# Altium PCB Copy of ECU rev B pcb.PcbDoc (part 1 of 5)
Units mm, origin at the board's own origin, x right, y up, seen from the top; angles counter-clockwise.
Board outline 142 x 125.42 mm, 4 copper layers (Top Layer, GND, Power, Bottom Layer), stack 0.603 mm thick; 577 components, 350 nets, 1799 pads, 656 vias.
Unrouted connection lines stored in the file: 28.
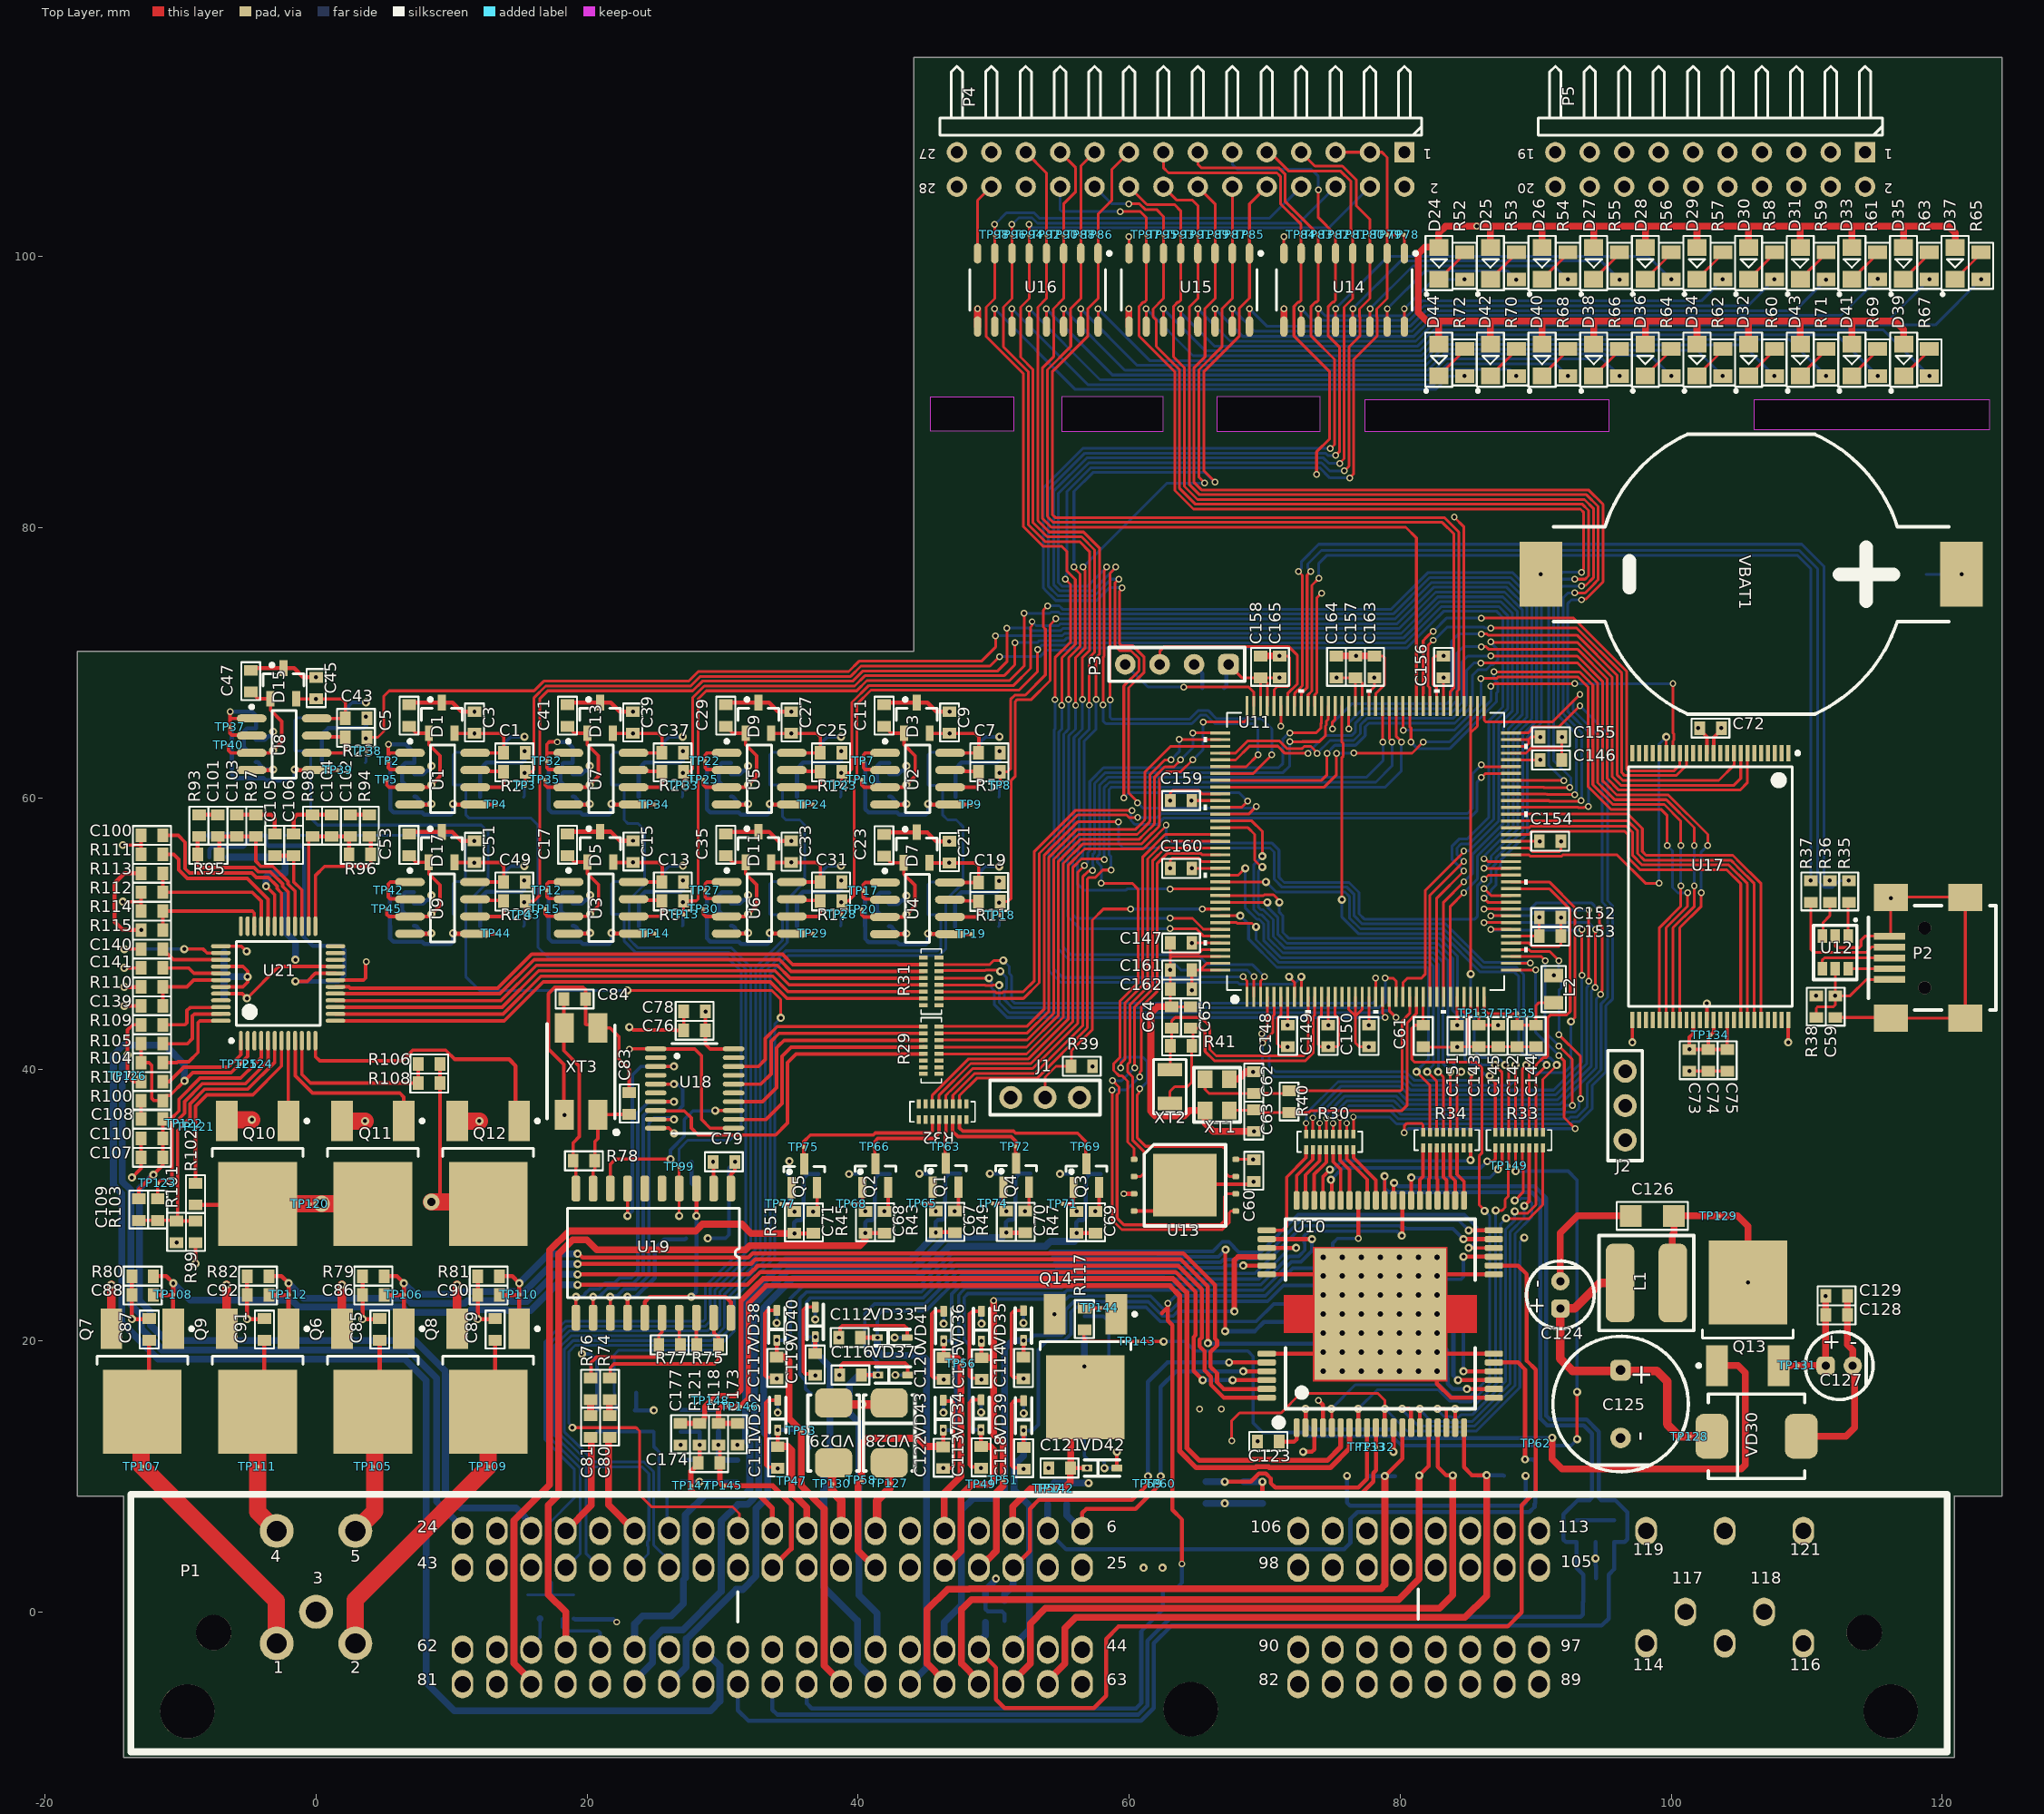
[diagram p0: Top Layer view]
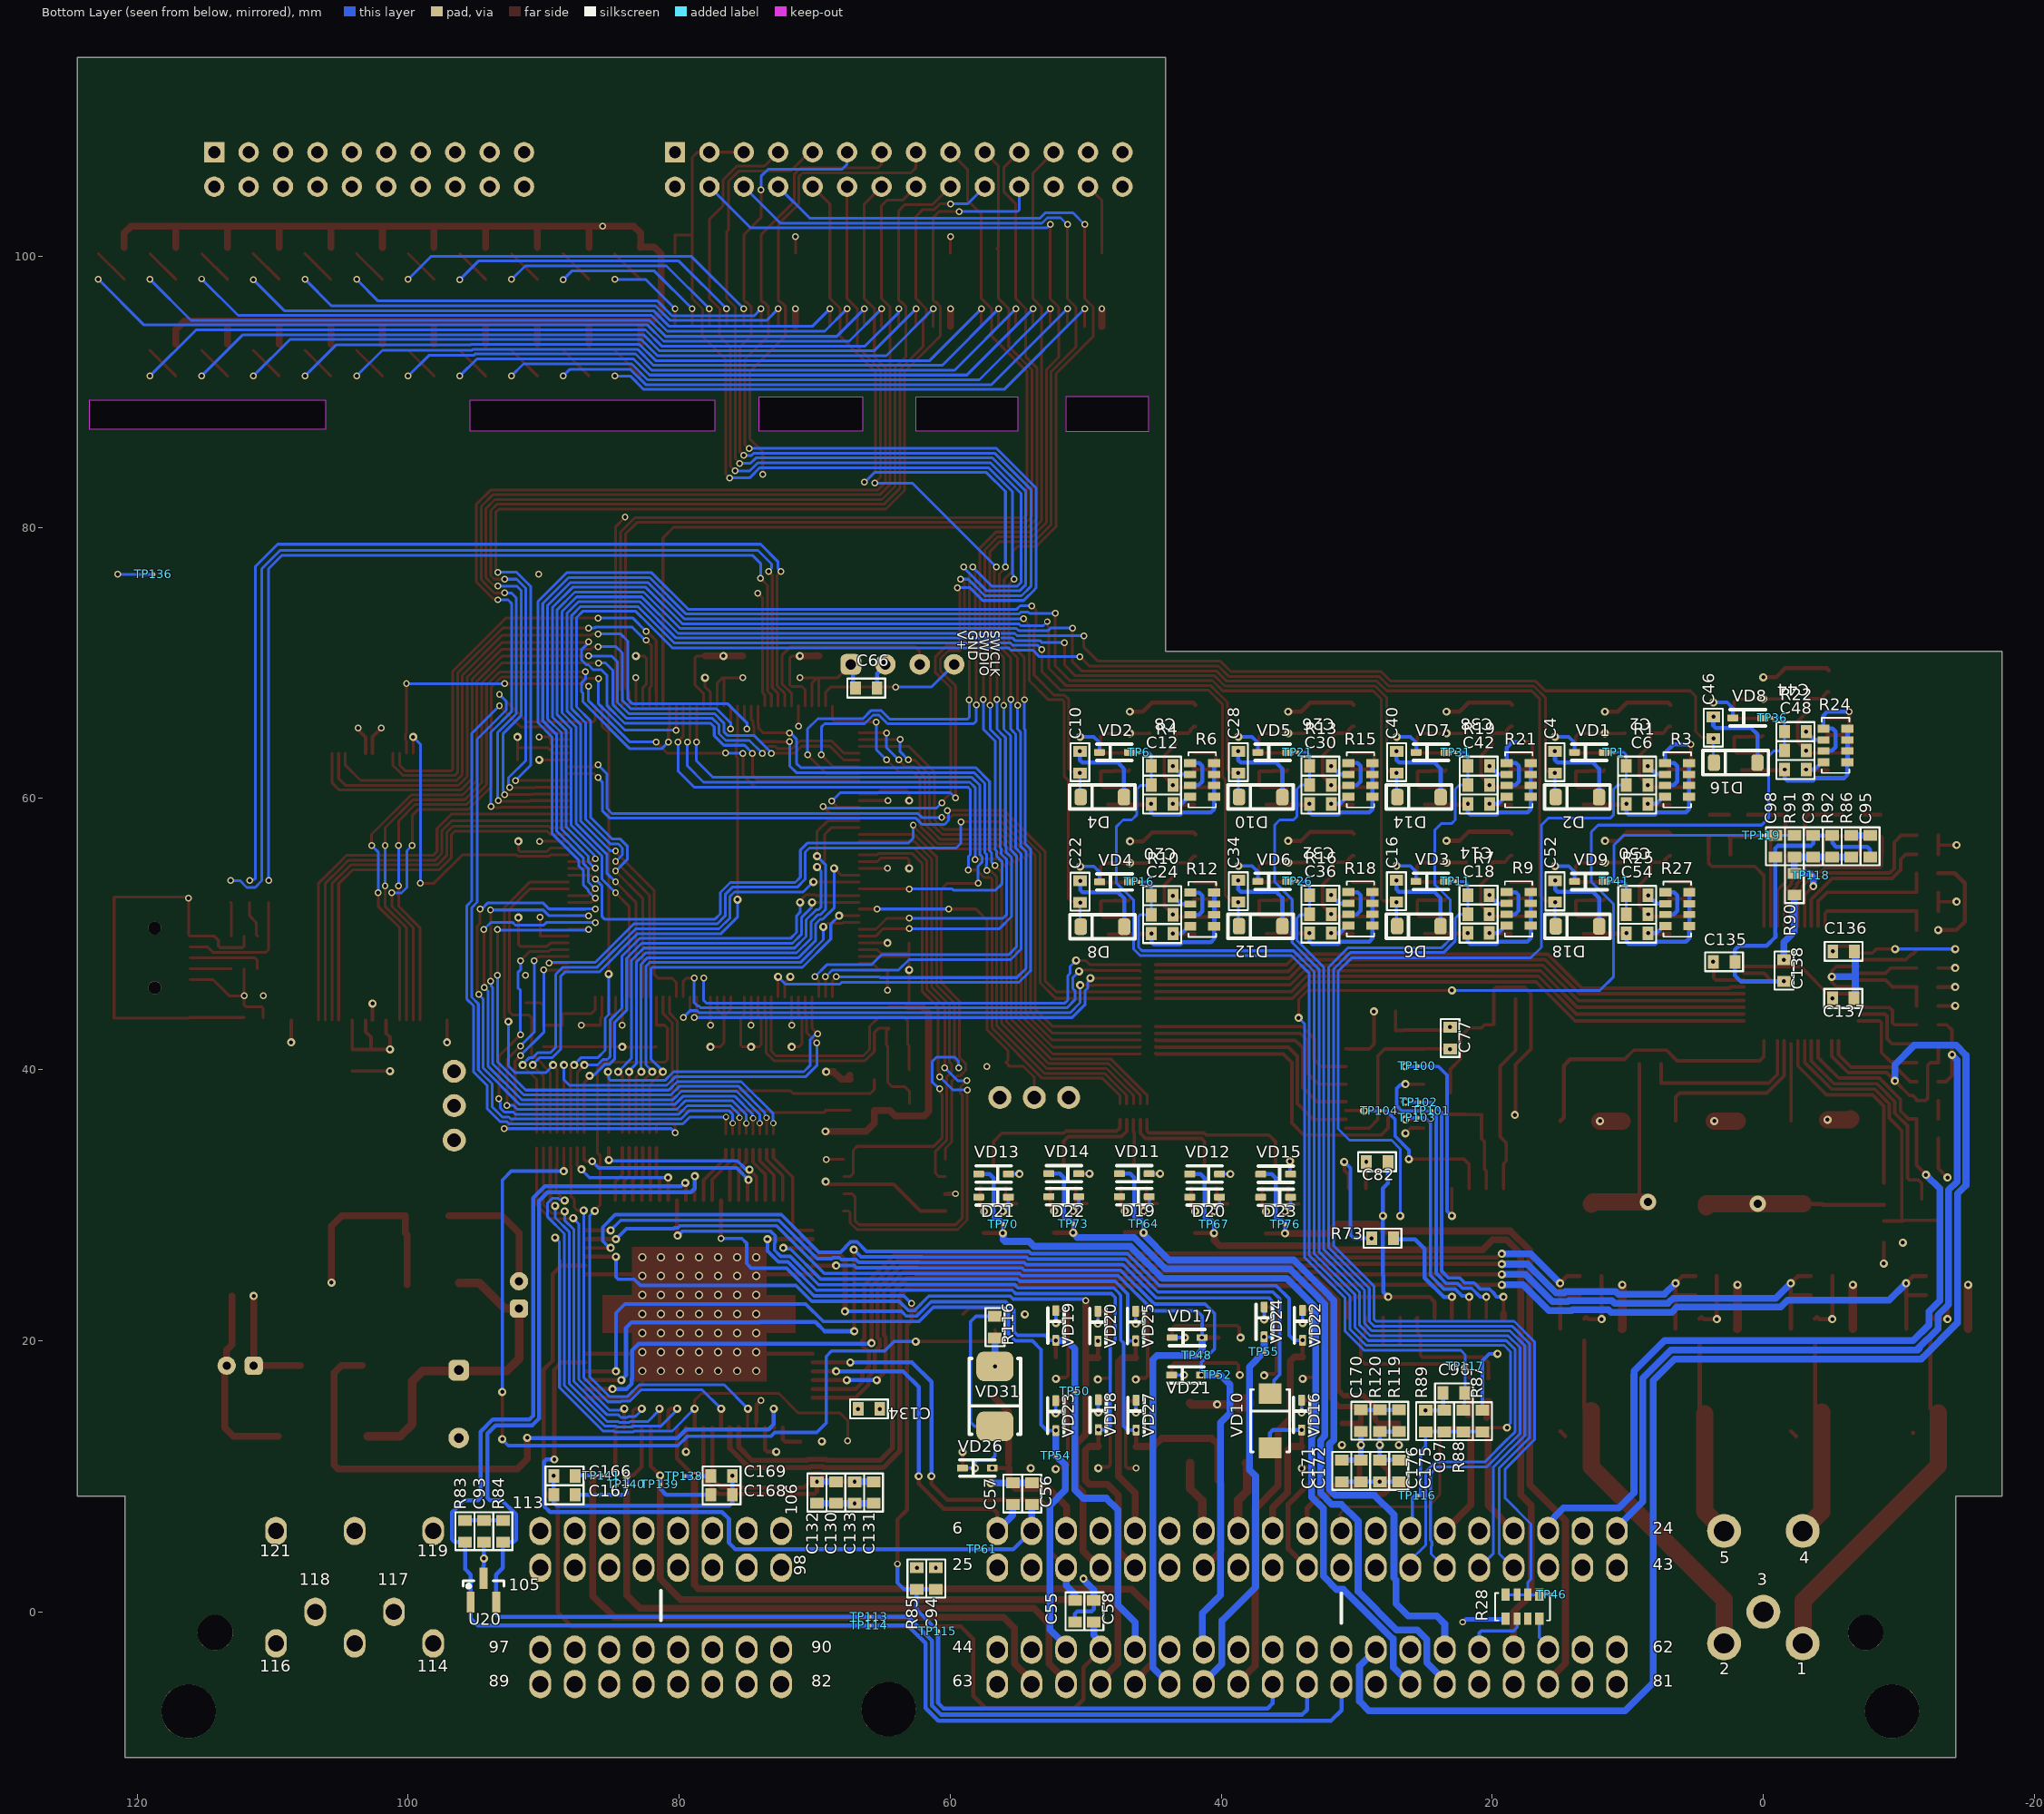
[diagram p1: Bottom Layer view, seen from below]
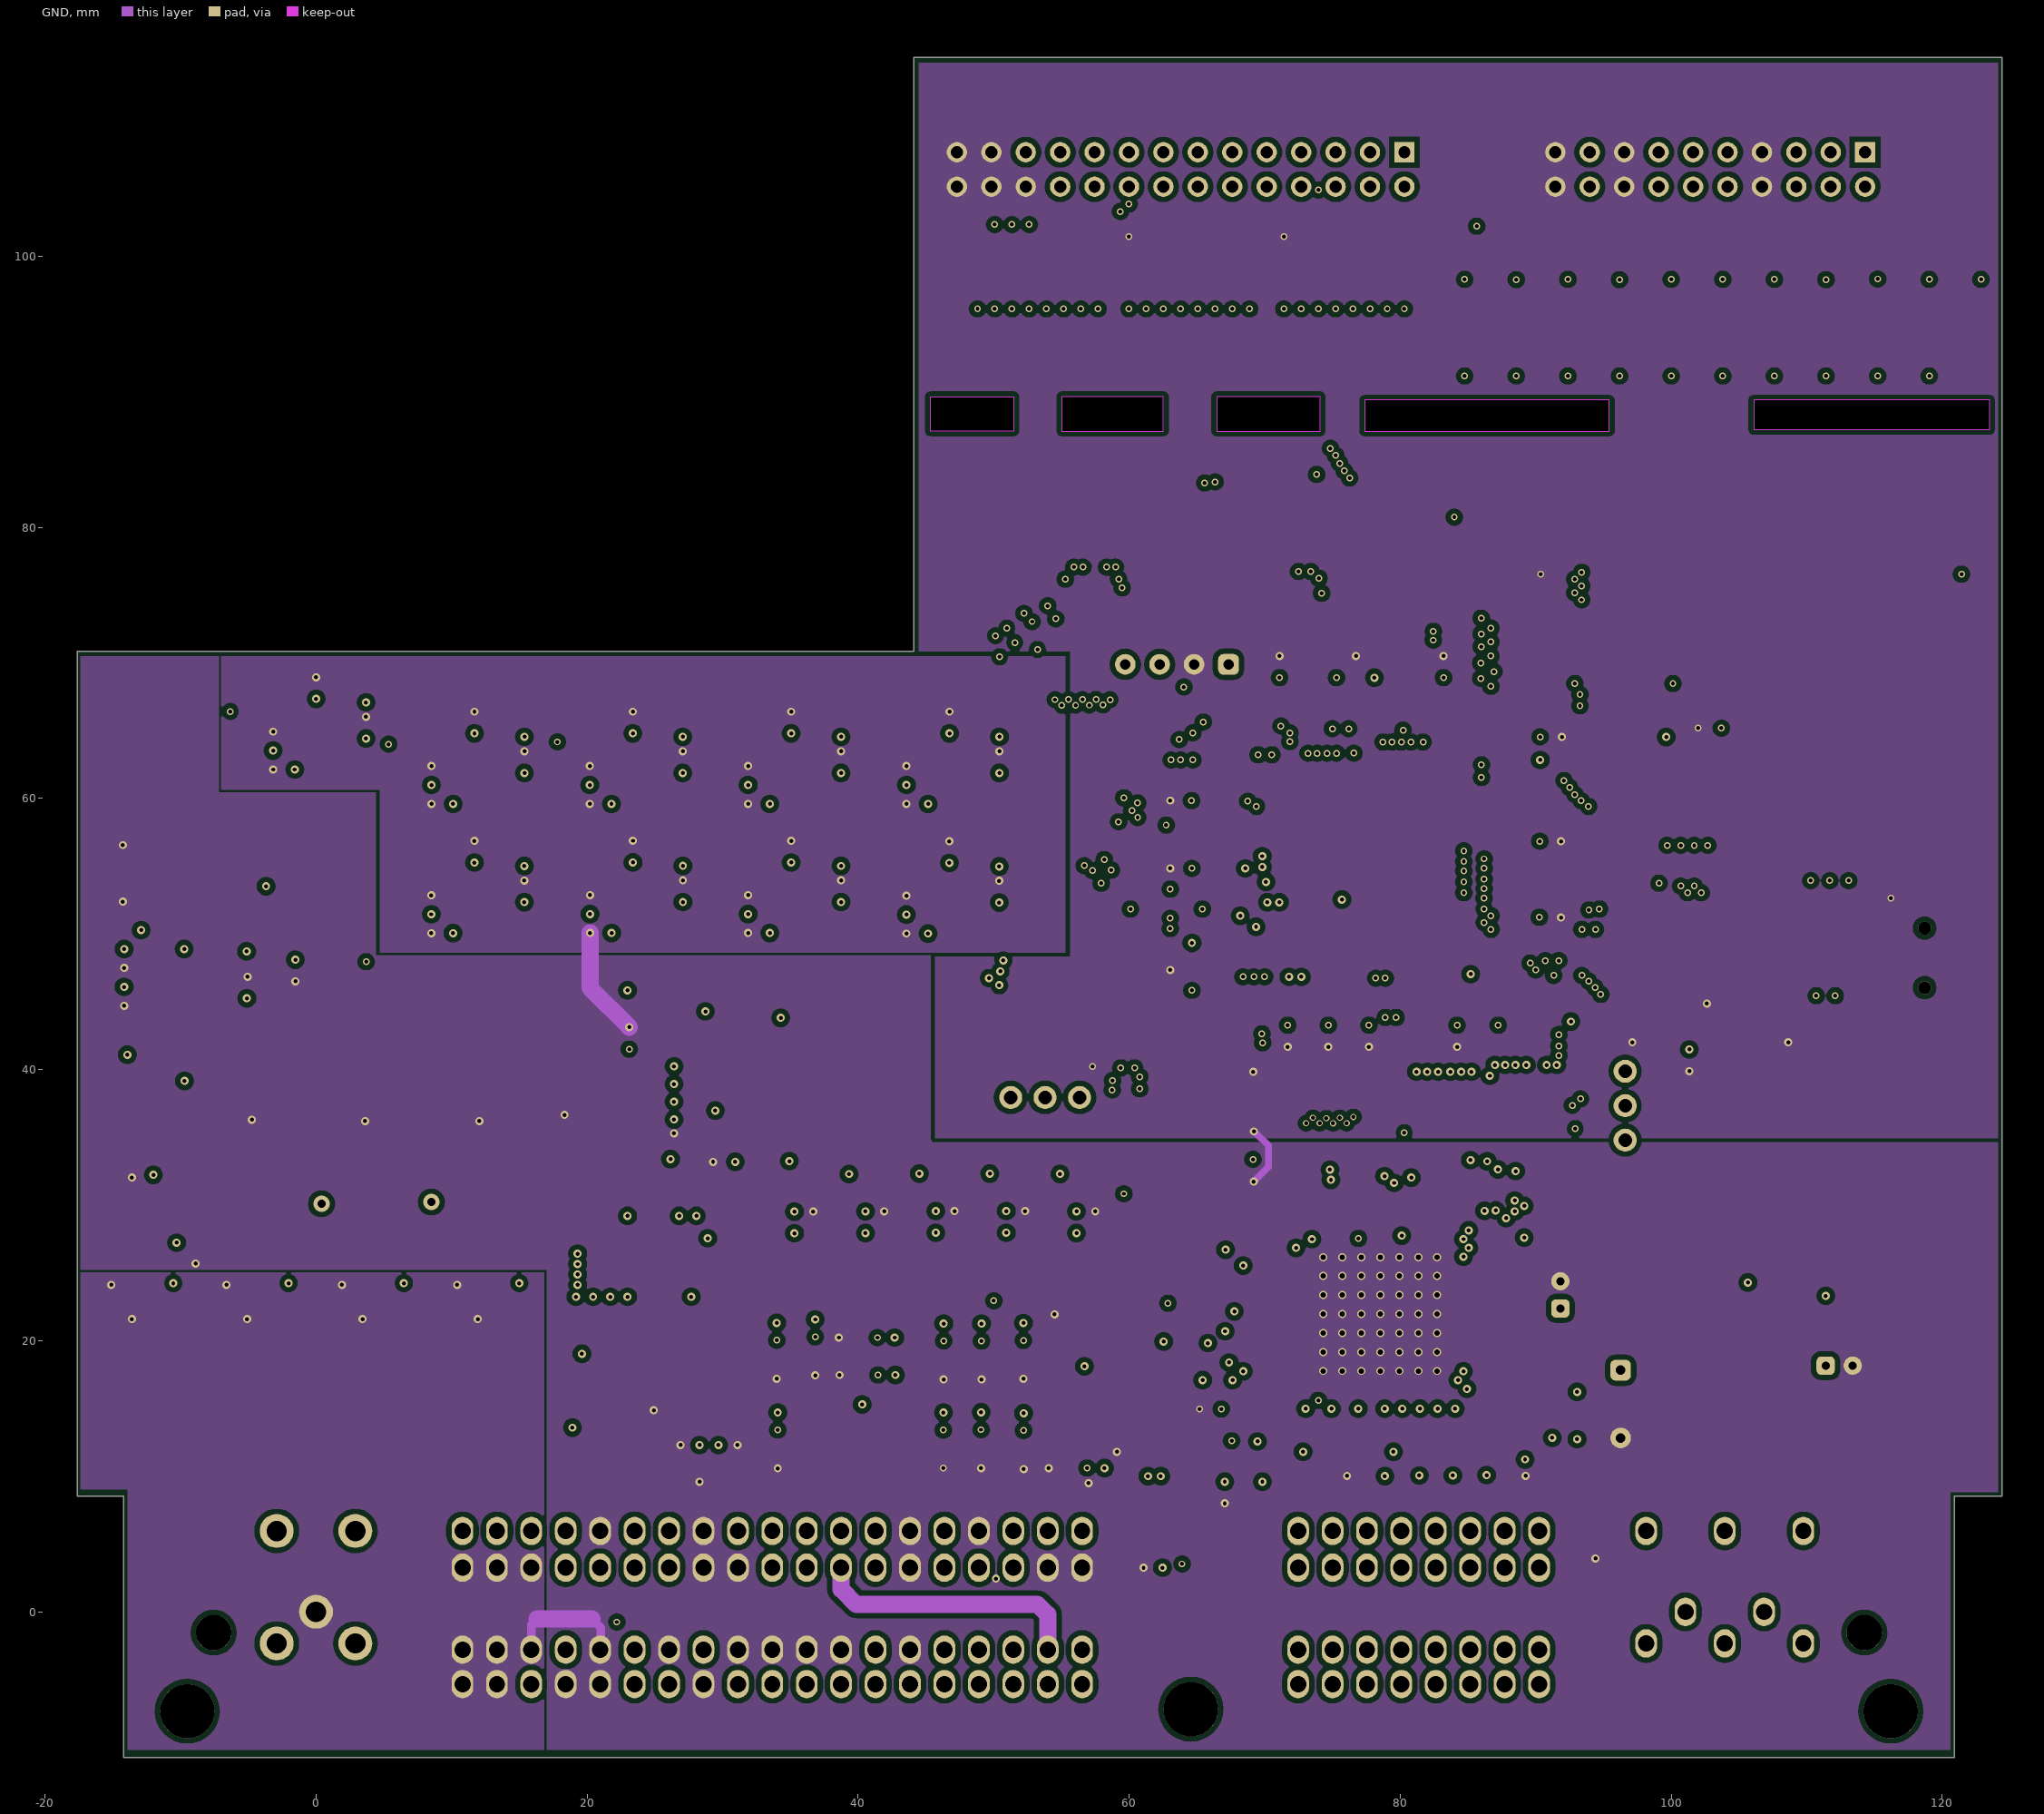
[diagram p2: GND]
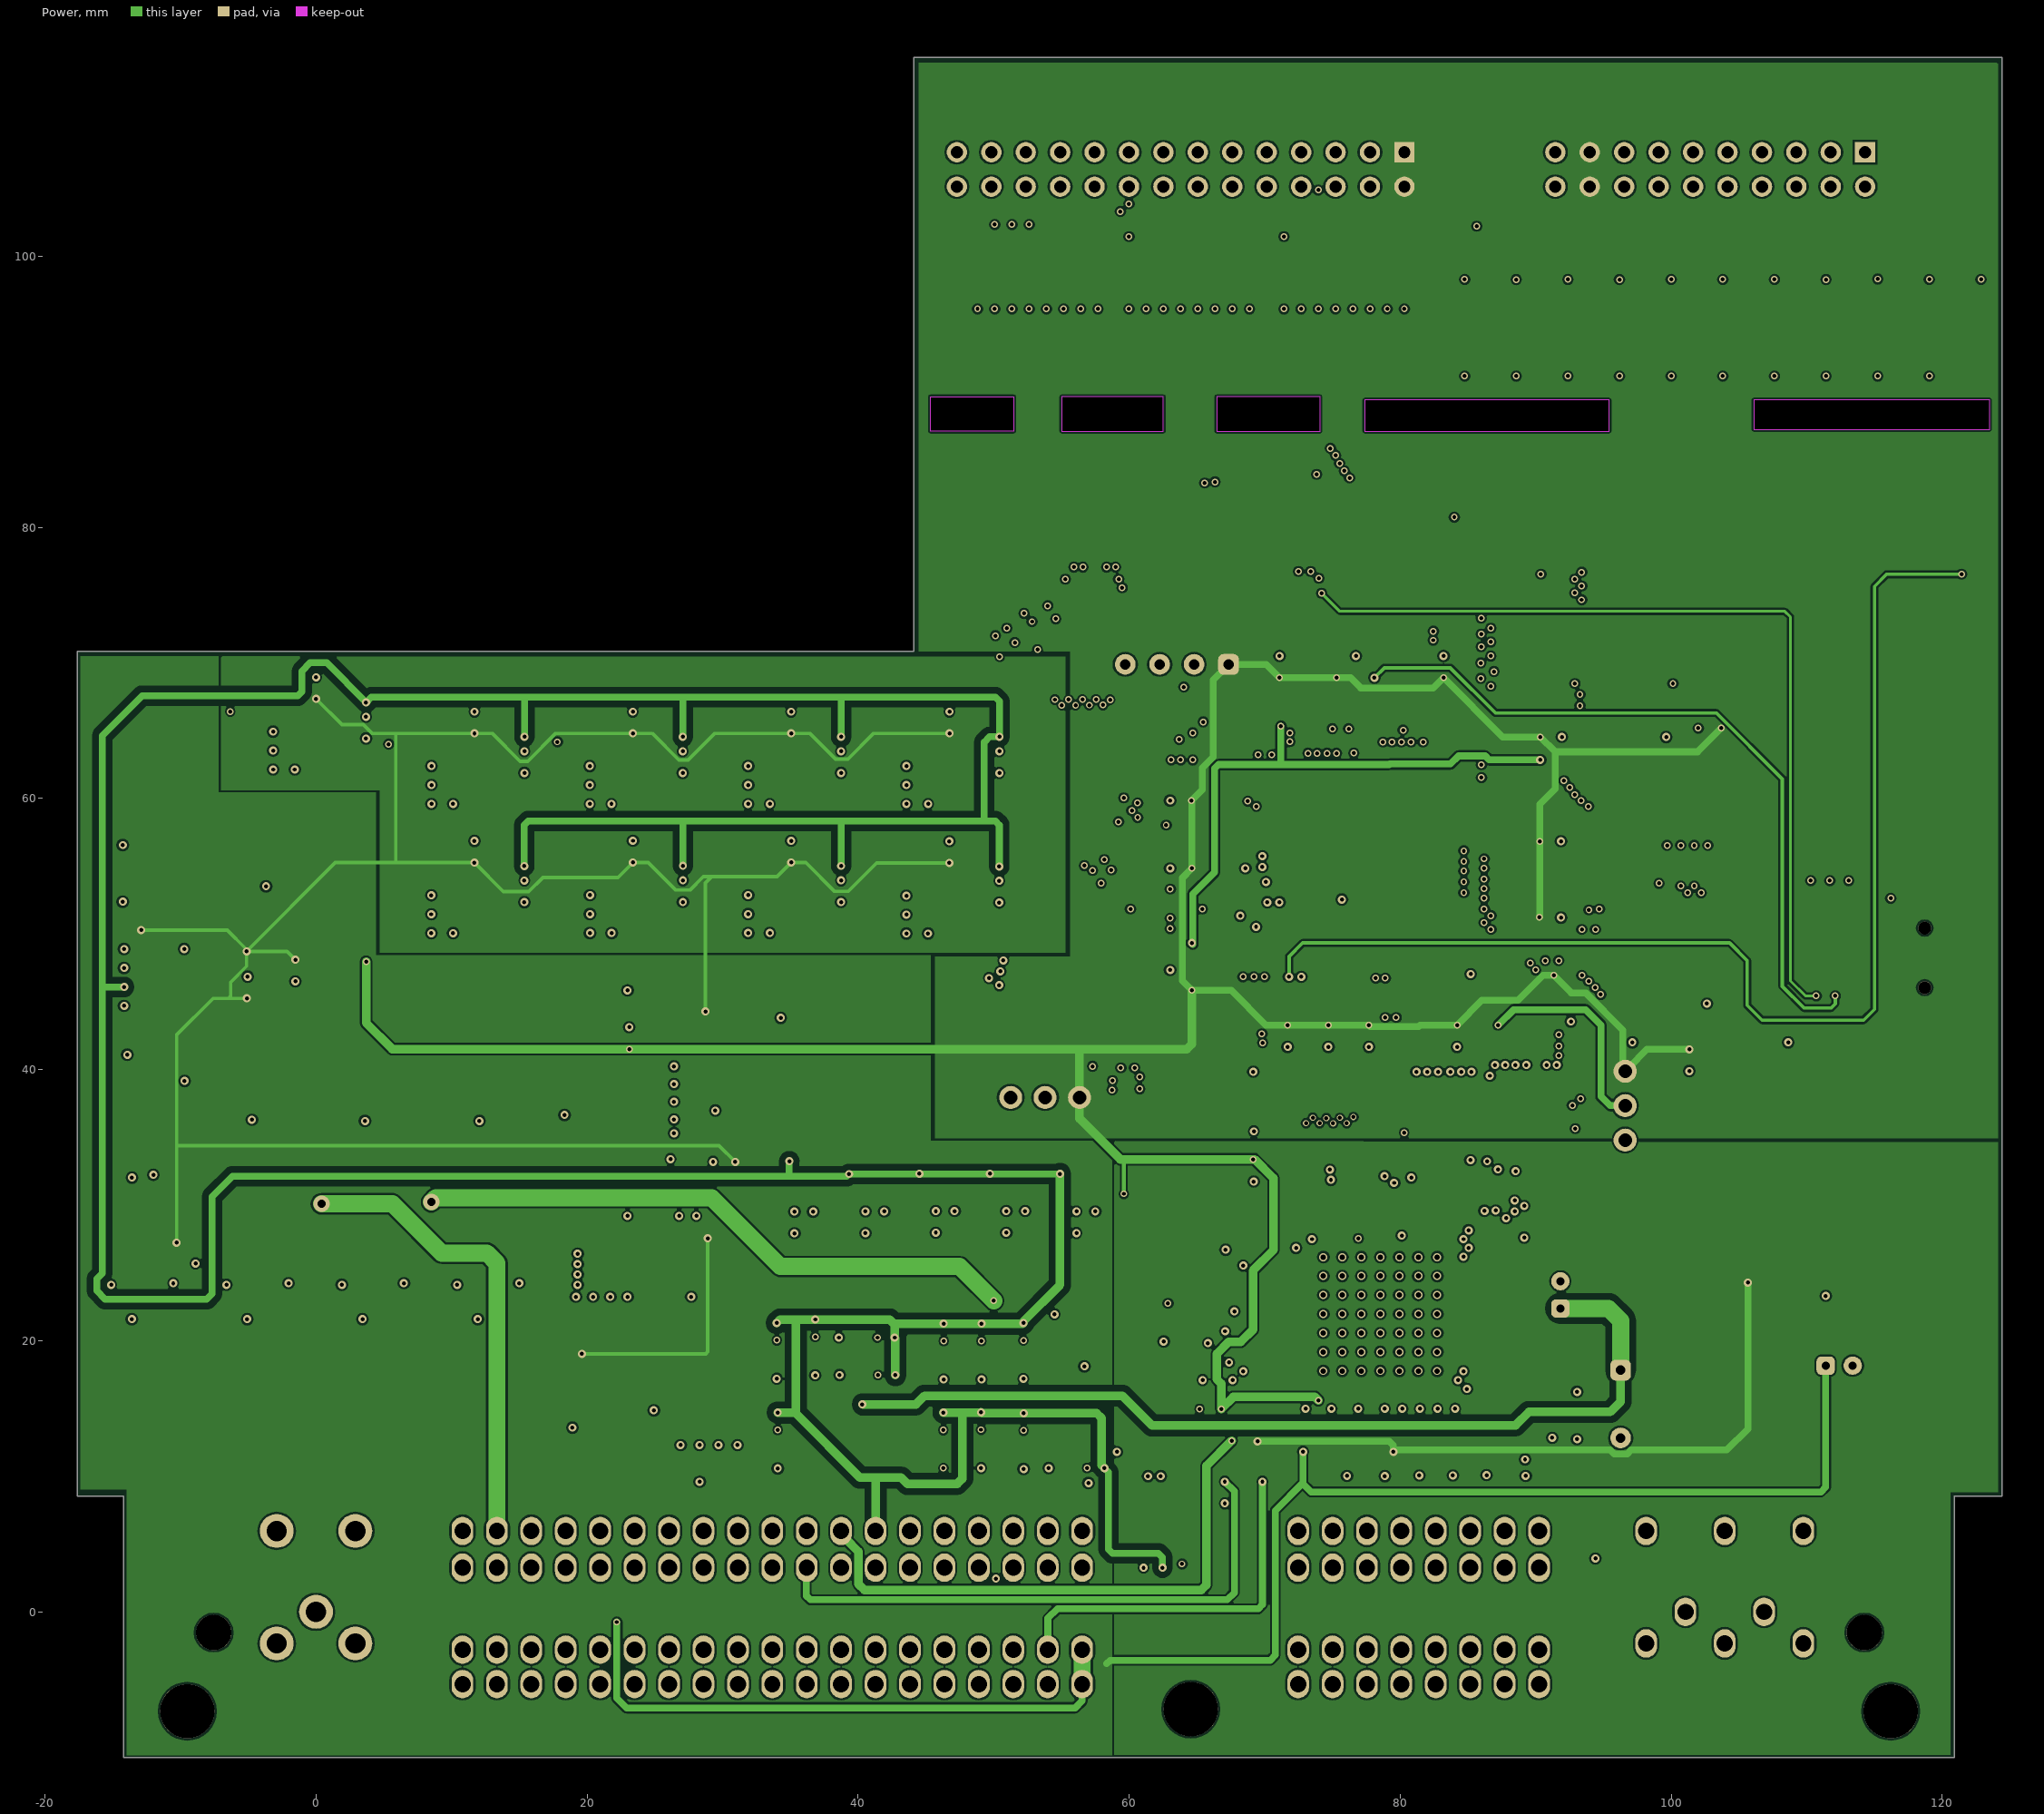
[diagram p3: Power]

## Layer stack, top to bottom
Top Solder: solder mask 0.0102, Solder Resist, Dk 3.5
Top Layer: signal copper 0.0356
Dielectric 4: prepreg 0.0711, PP-006, Dk 4.1
GND: signal copper 0.035
Dielectric 1: dielectric 0.32, FR-4, Dk 4.8
Power: signal copper 0.035
Dielectric 5: prepreg 0.0711, PP-006, Dk 4.1
Bottom Layer: signal copper 0.0356
Bottom Solder: solder mask 0.0102, Solder Resist, Dk 3.5

## Board outline
-14.2,-10.754 -14.2,8.546 -17.6,8.546 -17.6,70.847 44.115,70.847 44.115,114.662 124.4,114.662 124.4,8.546 120.906,8.546 120.9,8.539 120.9,-10.754
cut-out: 106.091,89.389 106.091,87.23 123.49,87.23 123.49,89.389
cut-out: 77.389,89.389 77.389,87.103 95.423,87.103 95.423,89.389
cut-out: 66.467,89.643 66.467,87.103 74.087,87.103 74.087,89.643
cut-out: 55.037,89.643 55.037,87.103 62.53,87.103 62.53,89.643
cut-out: 45.339,89.643 51.481,89.643 51.481,87.103 45.339,87.103

## Design rules (kind name [scope] priority, off if disabled: settings)
Clearance Clearance_3 [((InNet('Vbatt') OR InNet('Vin')) AND OnLayer('Power'))] p1: gap=0.508 ignorepadtopadclearanceinfootprint=FALSE
Clearance Clearance_2 [InNet('GND') And OnLayer('GND')] p2: gap=0.381 ignorepadtopadclearanceinfootprint=FALSE
Clearance Clearance_1 [(InDifferentialPairClass('All Differential Pairs')) vs (InDifferentialPairClass('All Differential Pairs'))] p3: gap=0.152 ignorepadtopadclearanceinfootprint=FALSE
Clearance [All] p4: gap=0.152 ignorepadtopadclearanceinfootprint=FALSE
DiffPairsRouting [All] p1: maxlimit=0.254 minlimit=0.152 mostfreqgap=0.254 toplayer_minwidth=0.127 toplayer_maxwidth=0.381 toplayer_prefwidth=0.381 midlayer1_minwidth=0.127 midlayer1_maxwidth=0.381 midlayer1_prefwidth=0.381 midlayer2_minwidth=0.127 midlayer2_maxwidth=0.381 midlayer2_prefwidth=0.381 bottomlayer_minwidth=0.127 bottomlayer_maxwidth=0.381 bottomlayer_prefwidth=0.381 maxuncoupledlength=12.7
Height Height_1 [InComponent('P1')] p1: minheight=0 maxheight=2539.975 prefheight=0
Height [All] p2: minheight=0 maxheight=25.4 prefheight=12.7
HoleSize [All] p1: absolutevalues=TRUE maxlimit=3.5 minlimit=0.2 maxpercent=80.000 minpercent=20.000
MinimumSolderMaskSliver [All] p1: minsoldermaskwidth=0.045
PasteMaskExpansion [All] p1: expansion=0.1
PolygonConnect PolygonConnect_2 [All vs OnLayer('Power')] p1: connectstyle=Direct reliefconductorwidth=0.254 reliefentries=4 polygonreliefangle="90 Angle" airgapwidth=0.254
PolygonConnect PolygonConnect_1 [All vs OnLayer('GND')] p2: connectstyle=Direct reliefconductorwidth=0.254 reliefentries=4 polygonreliefangle="90 Angle" airgapwidth=0.254
PolygonConnect [All] p3: connectstyle=Relief reliefconductorwidth=0.254 reliefentries=4 polygonreliefangle="45 Angle" airgapwidth=0.254
RoomDefinition CPU [InComponentClass('CPU')] p1: confinementstyle=ConfineIn formatcopy=TRUE lockcomponents=FALSE outline -17.272,8.509 124.379,8.509 124.379,81.769 -17.272,81.769
RoomDefinition DC2 [InComponentClass('DC2')] p2: confinementstyle=ConfineIn formatcopy=TRUE lockcomponents=FALSE outline 43.831,27.098 43.831,34.798 38.631,34.798 38.631,27.098
RoomDefinition DC4 [InComponentClass('DC4')] p3: confinementstyle=ConfineIn formatcopy=TRUE lockcomponents=FALSE outline 54.221,27.125 54.221,34.825 49.021,34.825 49.021,27.125
RoomDefinition LIN1 [InComponentClass('LIN1')] p4: confinementstyle=ConfineIn formatcopy=TRUE lockcomponents=TRUE outline 19.9,8.087 25.8,8.087 25.8,18.4 19.9,18.4
RoomDefinition HIP9011 [InComponentClass('HIP9011')] p5: confinementstyle=ConfineIn formatcopy=TRUE lockcomponents=FALSE outline 11.303,9.1 32.131,9.1 32.131,46.482 11.303,46.482
RoomDefinition OP7 [InComponentClass('OP7')] p6: confinementstyle=ConfineIn formatcopy=TRUE lockcomponents=TRUE outline 34.889,22.915 32.095,22.915 32.095,16.311 34.889,16.311
RoomDefinition OP6 [InComponentClass('OP6')] p7: confinementstyle=ConfineIn formatcopy=TRUE lockcomponents=TRUE outline 44.349,16.582 44.349,19.376 37.745,19.376 37.745,16.582
RoomDefinition OP9 [InComponentClass('OP9')] p8: confinementstyle=ConfineIn formatcopy=TRUE lockcomponents=TRUE outline 37.722,23.168 34.928,23.168 34.928,16.564 37.722,16.564
RoomDefinition OP4 [InComponentClass('OP4')] p9: confinementstyle=ConfineIn formatcopy=TRUE lockcomponents=FALSE outline 53.091,22.903 50.297,22.903 50.297,16.299 53.091,16.299
RoomDefinition OP5 [InComponentClass('OP5')] p10: confinementstyle=ConfineIn formatcopy=TRUE lockcomponents=TRUE outline 49.993,22.859 47.199,22.859 47.199,16.255 49.993,16.255
RoomDefinition ExtIO [InComponentClass('ExtIO')] p11: confinementstyle=ConfineIn formatcopy=TRUE lockcomponents=FALSE outline 124.125,89.643 124.125,114.281 44.496,114.281 44.496,89.643
RoomDefinition InterfaceControl [InComponentClass('InterfaceControl')] p12: confinementstyle=ConfineOut formatcopy=TRUE lockcomponents=FALSE outline -9.558,149 13.582,149 13.582,209.71 -9.558,209.71
RoomDefinition StepControl [InComponentClass('StepControl')] p13: confinementstyle=ConfineIn formatcopy=TRUE lockcomponents=FALSE outline 68.442,6.39 91.582,6.39 91.582,14.32 68.442,14.32
RoomDefinition AC1 [InComponentClass('AC1')] p14: confinementstyle=ConfineIn formatcopy=TRUE lockcomponents=FALSE outline 16.393,58.456 16.393,67.981 4.709,67.981 4.709,58.456
RoomDefinition AC3 [InComponentClass('AC3')] p15: confinementstyle=ConfineIn formatcopy=TRUE lockcomponents=FALSE outline 28.09,48.934 28.09,58.459 16.406,58.459 16.406,48.934
RoomDefinition AC4 [InComponentClass('AC4')] p16: confinementstyle=ConfineIn formatcopy=TRUE lockcomponents=FALSE outline 51.435,48.895 51.435,58.42 39.751,58.42 39.751,48.895
RoomDefinition AC6 [InComponentClass('AC6')] p17: confinementstyle=ConfineIn formatcopy=TRUE lockcomponents=FALSE outline 39.761,48.931 39.761,58.456 28.077,58.456 28.077,48.931
RoomDefinition AC2 [InComponentClass('AC2')] p18: confinementstyle=ConfineIn formatcopy=TRUE lockcomponents=FALSE outline 51.445,58.456 51.445,67.981 39.761,67.981 39.761,58.456
RoomDefinition AC5 [InComponentClass('AC5')] p19: confinementstyle=ConfineIn formatcopy=TRUE lockcomponents=FALSE outline 39.761,58.456 39.761,67.981 28.077,67.981 28.077,58.456
RoomDefinition AC8 [InComponentClass('AC8')] p20: confinementstyle=ConfineIn formatcopy=TRUE lockcomponents=FALSE outline 4.709,60.996 4.709,70.521 -6.975,70.521 -6.975,60.996
RoomDefinition LIN2 [InComponentClass('LIN2')] p21: confinementstyle=ConfineIn formatcopy=TRUE lockcomponents=TRUE outline -6.223,51.816 0.381,51.816 0.381,58.801 -6.223,58.801
RoomDefinition 12to5 [InComponentClass('12to5')] p22: confinementstyle=ConfineIn formatcopy=TRUE lockcomponents=FALSE outline 15.359,-1.651 21.597,-1.651 21.597,2.21 15.359,2.21
RoomDefinition OP12 [InComponentClass('OP12')] p23: confinementstyle=ConfineIn formatcopy=TRUE lockcomponents=FALSE outline 47.173,16.291 44.379,16.291 44.379,9.687 47.173,9.687
RoomDefinition IgnCvt4 [InComponentClass('IgnCvt4')] p24: confinementstyle=ConfineIn formatcopy=TRUE lockcomponents=FALSE outline -0.244,25.69 -8.753,25.69 -8.753,10.196 -0.244,10.196
RoomDefinition IgnCvt1 [InComponentClass('IgnCvt1')] p25: confinementstyle=ConfineIn formatcopy=TRUE lockcomponents=FALSE outline 8.265,25.69 -0.244,25.69 -0.244,10.196 8.265,10.196
RoomDefinition WideLambdaSensor [InComponentClass('WideLambdaSensor')] p26: confinementstyle=ConfineIn formatcopy=TRUE lockcomponents=FALSE outline -16.955,25.675 16.914,25.675 16.914,62.93 -16.955,62.93